# Altium PCB ESP32_MAIN.PcbDoc (part 1 of 2)
Units mm, origin at the board's own origin, x right, y up, seen from the top; angles counter-clockwise.
Board outline 80 x 80 mm, 2 copper layers (Top Layer, Bottom Layer); 106 components, 91 nets, 388 pads, 146 vias.
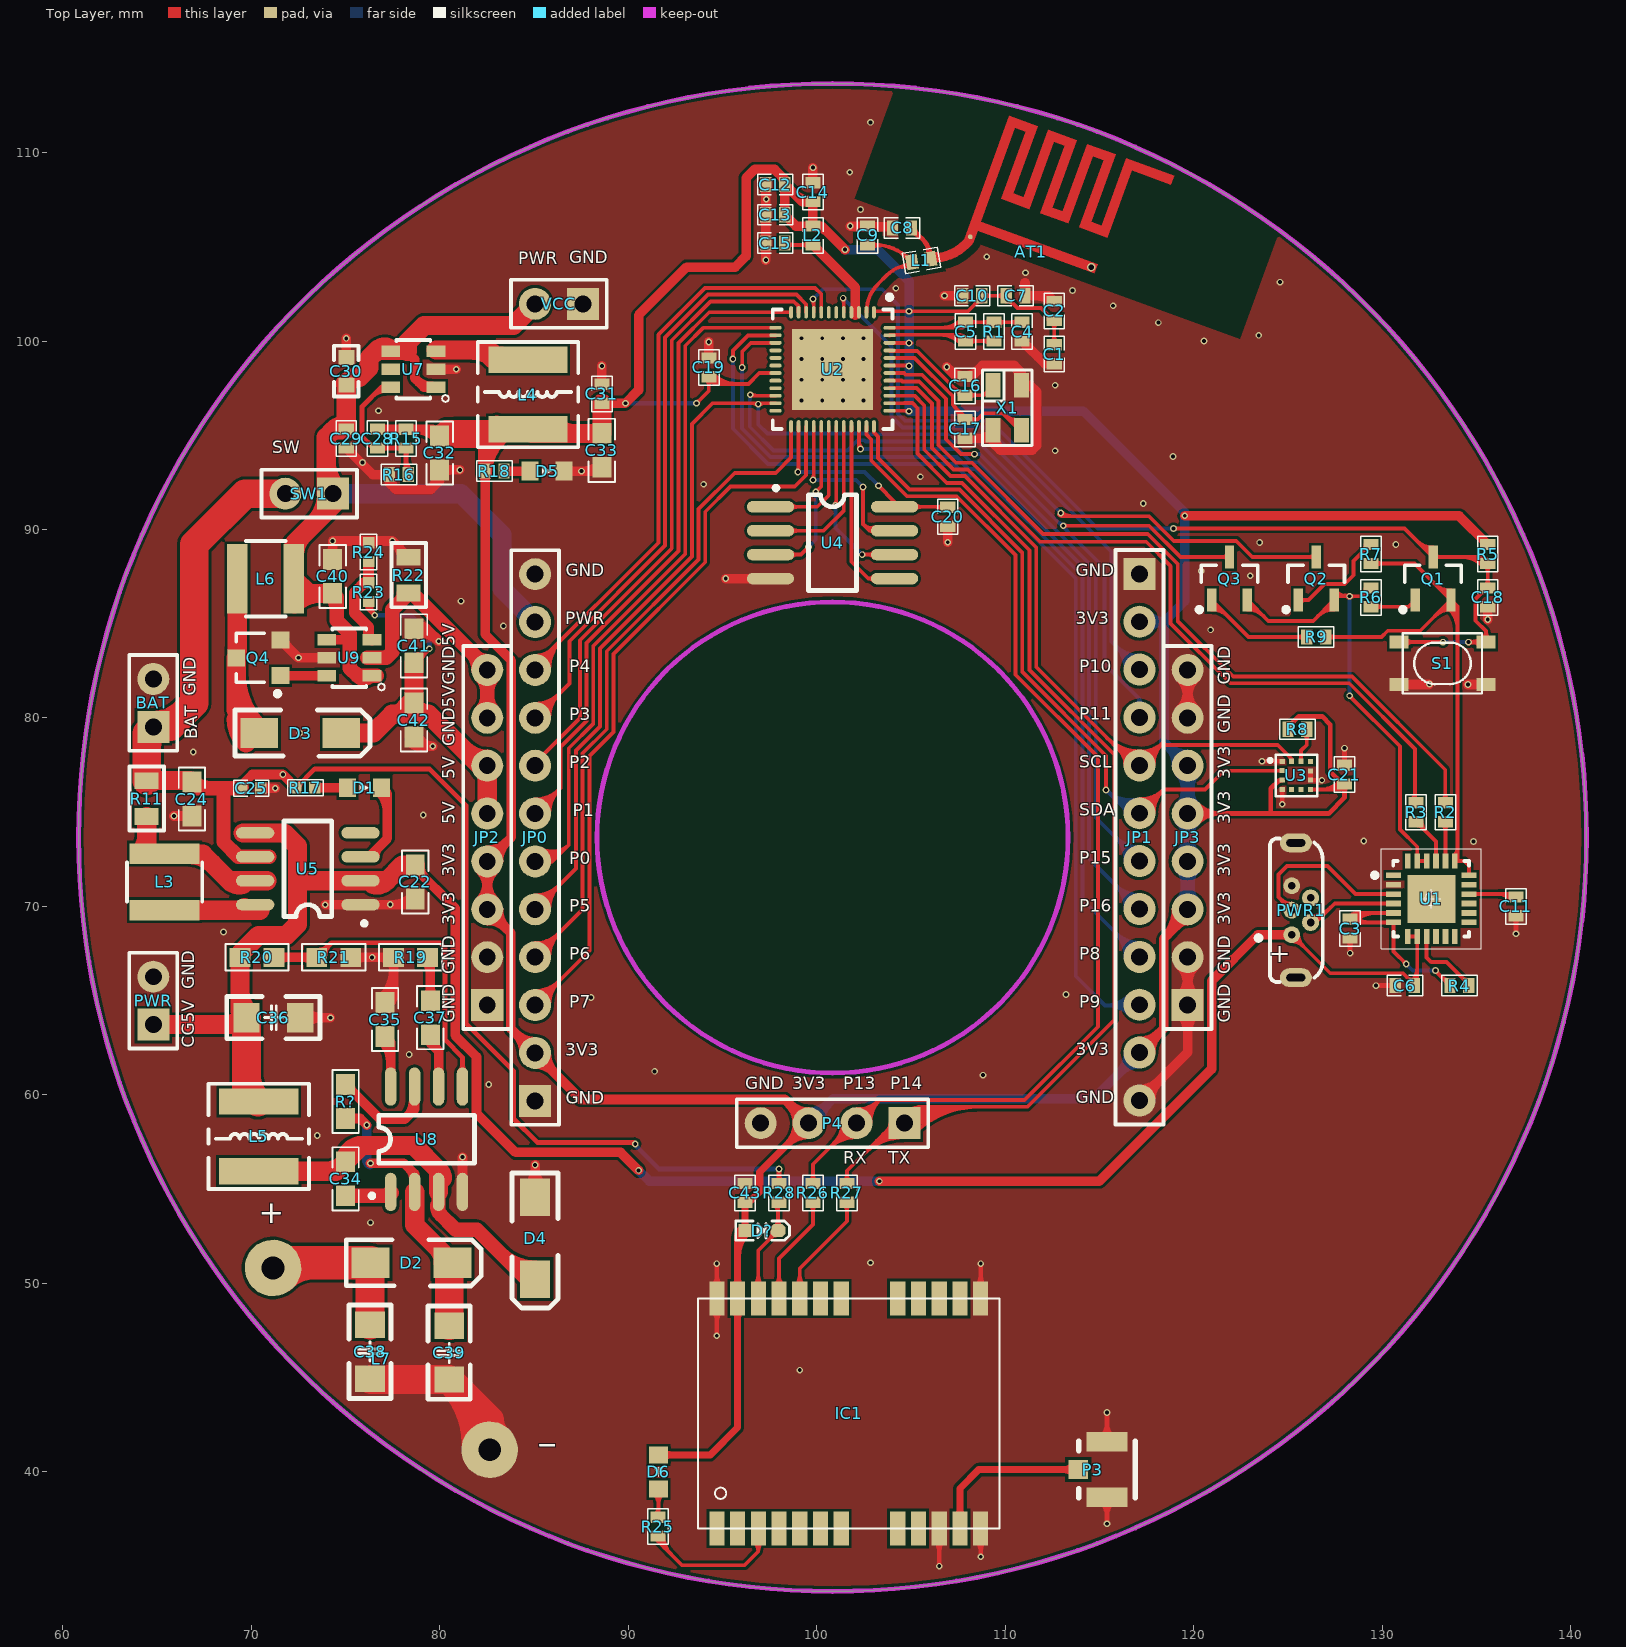
[diagram p0: Top Layer view]
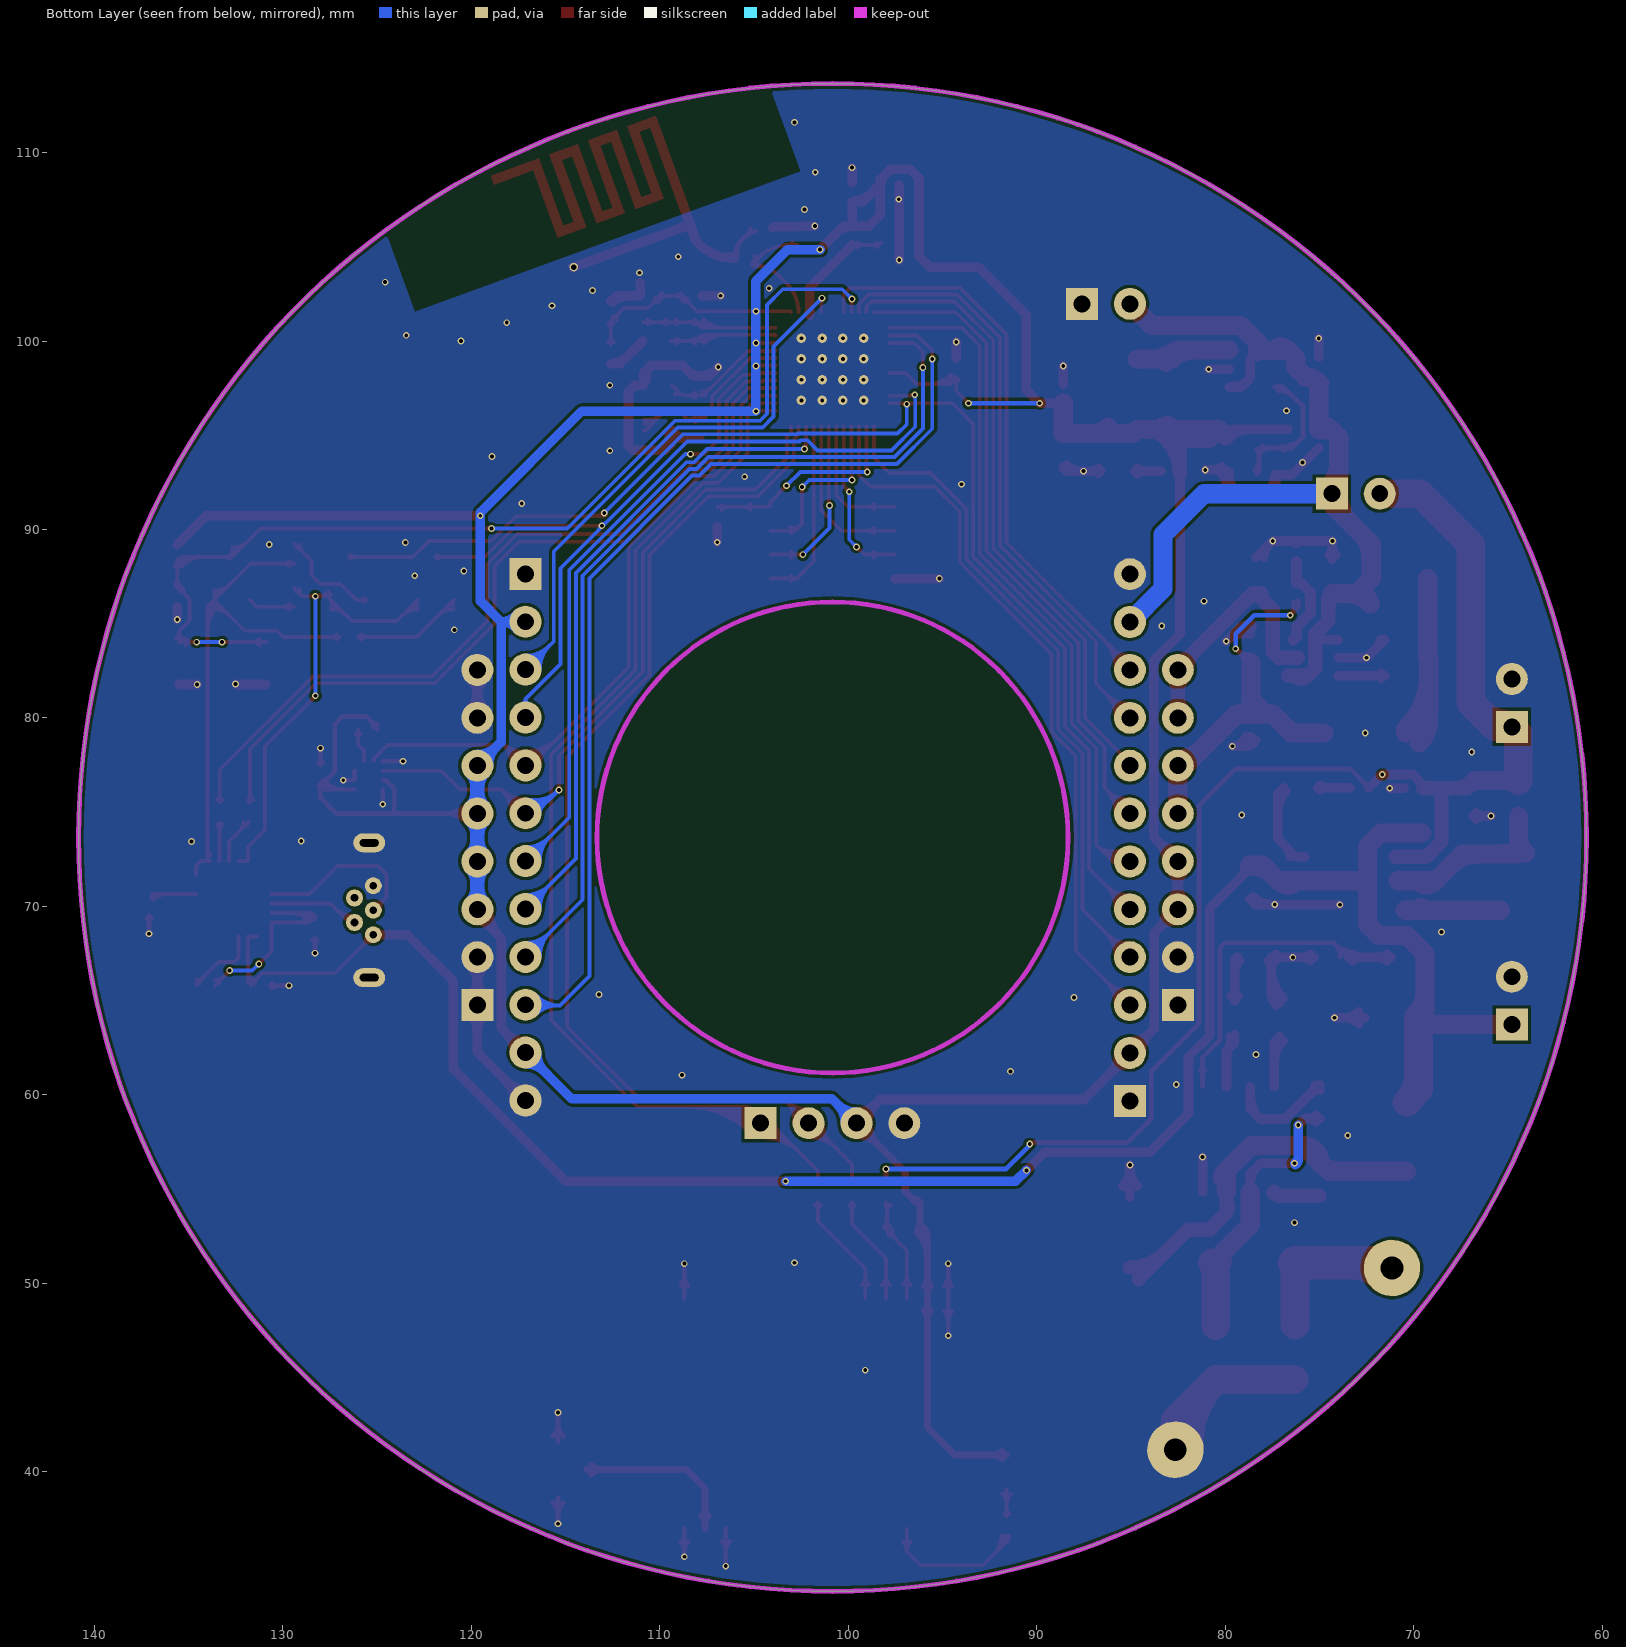
[diagram p1: Bottom Layer view, seen from below]

## Layer stack, top to bottom
Top Solder: solder mask 0.0102, Solder Resist, Dk 3.5
Top Layer: signal copper 0.0356
Dielectric1: dielectric 0.32, FR-4, Dk 4.8
Bottom Layer: signal copper 0.0356
Bottom Solder: solder mask 0.0102, Solder Resist, Dk 3.5

## Board outline
60.838,73.66 ccw(c100.838,73.66) 100.838,33.66 ccw(c100.838,73.66) 140.838,73.66 ccw(c100.838,73.66) 100.838,113.66 ccw(c100.838,73.66)

## Design rules (kind name [scope] priority, off if disabled: settings)
Clearance WIFI [InNet('NetC9_2','NetAT1_1')] p1: gap=0.4 ignorepadtopadclearanceinfootprint=FALSE except(0: Arc-Hole Track-Hole SMDPad-Hole THPad-Hole Via-Hole Fill-Hole Poly-Hole Region-Hole Text-Hole)
Clearance [All] p2: gap=0.152 ignorepadtopadclearanceinfootprint=FALSE except(0: Arc-Hole Track-Hole SMDPad-Hole THPad-Hole Via-Hole Fill-Hole Poly-Hole Region-Hole Text-Hole)
HoleToHoleClearance [All] p1: gap=0 allowstackedmicrovias=TRUE
MinimumSolderMaskSliver [All] p1: minsoldermaskwidth=0
PolygonConnect [All] p1: connectstyle=Direct reliefconductorwidth=0.254 reliefentries=4 polygonreliefangle="90 Angle" airgapwidth=0.254
RoutingVias [All] p1: holewidth=0.711 width=1.27 viastyle="Through Hole" minholewidth=0.711 minwidth=1.27 maxholewidth=0.711 maxwidth=1.27
SilkToSilkClearance [All] p1: silktosilkclearance=0
SilkToSolderMaskClearance [IsPad] p1: minsilkscreentomaskgap=0 clearancetoexposedcopper=TRUE
SolderMaskExpansion [All] p1: expansion=0.102
Width [All] p1: maxlimit=2.032 minlimit=0.102 preferedwidth=0.254
26 further rules are at their usual default settings.

## Classes and differential pairs
component class 北斗GPS: C43 D6 D? IC1 P3 R25 R26 R27 R28
component class Top_Bot: BAT C22 C24 C25 C28 C29 C30 C31 C32 C33 C34 C35 C36 C37 C38 C39 C40 C41 C42 D1 D2 D3 D4 D5 JP0 JP1 JP2 JP3 L3 L4 L5 L6 L7 P1 P2 P4 PWR Q4 R11 R15 R16 R17 R18 R19 R20 R21 R22 R23 R24 R? SW1 U5 U7 U8 U9 VCC
component class ESP32: AT1 C1 C2 C3 C4 C5 C6 C7 C8 C9 C10 C11 C12 C13 C14 C15 C16 C17 C18 C19 C20 C21 L1 L2 PWR1 Q1 Q2 Q3 R1 R2 R3 R4 R5 R6 R7 R8 R9 S1 U1 U2 U3 U4 X1

## Components (designator, comment, footprint, x,y, rotation, side; value= is the part's Value field where it differs from the comment)
AT1 "ANT_2.4Ghz2" ANT2_2.4G-M 107.825,105.375 r340 top
BAT "Header 2" HDR2.54-LI-2P 64.8,80.8 r90 top
C1 "1uF" 0402C#1 112.6,99.3 r270 top
C2 "0.1uF" 0402C#1 112.6,101.6 r270 top
C3 "104" 0402C#1 128.3,68.825 r270 top
C4 "10nF" 0402C#1 110.9,100.5 r270 top
C5 "3.3nF" 0402C#1 107.9,100.5 r90 top
C6 "1uF" 0402C#1 131.2,65.8 r180 top
C7 "0.1uF" 0402C#1 110.55,102.4 r180 top
C8 "1.2pF" 0402C#1 104.525,106 r0 top
C9 "6.2pF" 0402C#1 102.7,105.6 r270 top
C10 "10uF" 0402C#1 108.25,102.4 r180 top
C11 "4.7uF" 0402C#1 137.1,70 r90 top
C12 "10uF" 0402C#1 97.8,108.3 r180 top
C13 "1uF" 0402C#1 97.8,106.7 r0 top
C14 "0.1uF" 0402C#1 99.8,107.9 r90 top
C15 "1uF" 0402C#1 97.8,105.2 r0 top
C16 "10PF" 0402C#1 107.872,97.622 r90 top
C17 "10PF" 0402C#1 107.872,95.336 r270 top
C18 "104" 0402C#1 135.6,86.4 r90 top
C19 "104" 0402C#1 94.275,98.6 r270 top
C20 "104" 0402C#1 106.95,90.675 r270 top
C21 "1uF" 0402C#1 128,77 r90 top
C22 "10uF" C0603-S 78.7,71.3 r90 top
C24 "10uF" C0603-S 66.85,75.7 r90 top
C25 "104" 0402C#2 70,76.275 r180 top
C28 "100pF" 0402C#1 76.691,94.821 r90 top
C29 "104" 0402C#1 75.04,94.821 r90 top
C30 "10uF" CAPC_0603_2 75.04,98.4 r270 top
C31 "104" 0402C#1 88.6,97.2 r270 top
C32 "10uF" C0603-S 79.993,94.059 r90 top
C33 "10uF" C0603-S 88.6,94.2 r90 top
C34 "10nF" C0603-S 75,55.55 r90 top
C35 "104" C0603-S 77.1,64 r270 top
C36 "22uF/16V" "C 1206_L" 71.2,64.1 r180 top
C37 "3.3nF" C0603-S 79.5,64.1 r270 top
C38 "104/NPO" "C 1206_L" 76.3,46.4 r270 top
C39 "10uF/25V" "C 1206_L" 80.5,46.3 r90 top
C40 "10uF" C0603-S 74.315,87.511 r90 top
C41 "47uF" C0603-S 78.633,83.828 r90 top
C42 "10uF" C0603-S 78.633,79.891 r270 top
C43 "104" 0402C#1 96.2,54.8 r270 top
D1 "LED-R" LED0603 76,76.3 r0 top
D2 "SS510" SMA 78.5,51.1 r180 top
D3 "SS54" SMA 72.6,79.2 r180 top
D4 "SS34" SMA 85.059,52.4 r90 top
D5 "LED-G" LED0603 85.697,93.097 r0 top
D6 "LED-G" LED0603 91.6,40 r270 top
D? "IN4148" SOD-523 97.1,52.8 r0 top
IC1 "ATGM332D-5N" ATGM332D-5N 101.7,43.1 r270 top
JP0 "HDR-1X12" HDR2.54-LI-12P 85.059,73.66 r90 top
JP1 "HDR-1X12" HDR2.54-LI-12P 117.125,73.675 r270 top
JP2 "Header 8" HDR2.54-LI-8P 82.519,73.66 r90 top
JP3 "Header 8" HDR2.54-LI-8P 119.681,73.66 r90 top
L1 "2.7nH ±2%  0.31A" 0402C#1 105.55,104.275 r190 top
L2 "2nH" 0402C#1 99.8,105.6 r270 top
L3 "4.7uH" L-NR4018_4.0*4.0 65.4,71.3 r180 top
L4 "2.2uH" NR5040 84.681,97.161 r270 top
L5 "15uH/2A" NR5040 70.4,57.8 r90 top
L6 "3.3uH" L-NR4018_4.0*4.0 70.759,87.384 r270 top
L7 "Inductor_2" 无线充电线圈 76.9,46 r140 top locked
P3 "50OHM" IPEX 115.4,41.6 r270 top
P4 "Header 4" HDR2.54-LI-4P 100.838,58.5 r180 top
PWR "Header 2" HDR2.54-LI-2P 64.8,65 r90 top
PWR1 "USB-5P" USB-micro_C 125.7,69.8 r90 top
Q1 "SS8050" SOT23-3N 132.7,87.4 r0 top
Q2 "SS8050" SOT23-3N 126.5,87.4 r0 top
Q3 "SS8050" SOT23-3N 121.9,87.4 r0 top
Q4 "AO3400" "SOT-23 - N" 70.378,83.193 r90 top
R1 "20K" 0402R#1 109.4,100.5 r90 top
R2 "100" 0402R#1 133.35,75 r270 top
R3 "100" 0402R#1 131.8,75 r270 top
R4 "4.7K" 0402R#1 134.1,65.8 r180 top
R5 "10K" 0402R#1 135.6,88.7 r270 top
R6 "10K" 0402R#1 129.4,86.4 r90 top
R7 "10K" 0402R#1 129.4,88.7 r270 top
R8 "10K" 0402R#1 125.5,79.4 r0 top
R9 "10K" 0402R#1 126.5,84.3 r0 top
R11 "0.05R" "R 0805_L" 64.45,75.725 r90 top
R15 "45K" 0402R#1 78.215,94.821 r270 top
R16 "10K" 0402R#1 77.834,92.916 r180 top
R17 "10KΩ" 0402R#2 72.875,76.3 r0 top
R18 "10KΩ" 0402R#1 82.903,93.097 r0 top
R19 "6.8k" R0603-S 78.45,67.3 r180 top
R20 "44.2k" R0603-S 70.3,67.3 r180 top
R21 "10k" R0603-S 74.375,67.3 r180 top
R22 "0.3R" "R 0805_L" 78.35,87.575 r90 top
R23 "30K" 0402R#2 76.225,86.675 r90 top
R24 "4.3K" 0402R#2 76.225,88.8 r270 top
R25 "10K" 0402R#1 91.578,37.1 r90 top
R26 "510R" 0402R#1 99.8,54.8 r90 top
R27 "510R" 0402R#1 101.6,54.8 r90 top
R28 "0R" 0402R#1 98,54.8 r90 top
R? "100k" R0603-S 75,59.65 r90 top
S1 "SW-PB_mini" SW_SMD_3X4 133.2,82.9 r0 top
SW1 "Header 2" HDR2.54-LI-2P 73.075,91.9 r180 top
U1 "CP2104" QFN24 132.607,70.407 r0 top
U2 "ESP32" QFN48P600X600 100.838,98.5 r270 top
U3 "MSA301" LGA-12 125.45,76.951 r0 top
U4 "GD25LQ64" SOP8_FLASH 100.838,89.3 r0 top locked
U5 "SLM6500" SOP8_150 73,72 r90 top
U7 "SY8009B" SOT23-6 78.6,98.5 r270 top
U8 "XKT3169" SOP8_150 79.3,57.65 r0 top
U9 "ME2169" SOT23-6 75.204,83.193 r270 top
VCC "Header 2" HDR2.54-LI-2P 86.325,101.975 r180 top
X1 "40MHz" CY_3225 110.425,97.55 r270 top

## Footprints (in the part's own frame and the unit in brackets; to place one, negate y for a bottom-side part, rotate by r counter-clockwise, add the part's x,y. Pads: shape width x height; smd on the part's side, far side on the other; paste and mask are expansions set on the pad)
0402C#1 [mm]
  rect 0.6x0.8 smd: 1(-0.5,0) 2(0.5,0)
  silkscreen extent -0.94,-0.54 0.94,0.54
0402C#2 [mm]
  rect 0.6x0.6 smd: 1(-0.5,0) 2(0.5,0)
  silkscreen extent -0.94,-0.43 0.94,0.43, body extent -0.5,-0.25 0.5,0.25, height 0.5
0402R#1 [mm]
  rect 0.6x0.8 smd: 1(-0.5,0) 2(0.5,0)
  silkscreen extent -0.94,-0.54 0.94,0.54
0402R#2 [mm]
  rect 0.6x0.6 smd: 1(-0.5,0) 2(0.5,0)
  silkscreen extent -0.94,-0.43 0.94,0.43, body extent -0.5,-0.25 0.5,0.25, height 0.38
ANT2_2.4G-M [mil] "Antenna inverted F, 2.4 GHz, 17.3 mm (MIR)"
  round 10 smd: 1(10,10)
  round 17.72 hole 11.81 mask-30: 2(269,37)
  Top Layer region: 0,0 19.7,0 19.7,27.5 279.5,27.5 279.5,47.2 19.7,47.2 19.7,255.9 43.3,255.9 43.3,106.3 106.3,106.3 106.3,255.9 129.9,255.9 129.9,106.3 192.9,106.3 192.9,255.9 216.5,255.9 216.5,106.3 279.5,106.3 279.5,255.9 366.2,255.9 366.2,275.6 259.8,275.6 259.8,126 236.2,126 236.2,275.6 173.2,275.6 173.2,126 149.6,126 149.6,275.6 86.6,275.6 86.6,126 63,126 63,275.6 0,275.6
ATGM332D-5N [mm] "北斗 GPS"
  rect 1.8x0.8 smd: 1(6.1,-7) 2(6.1,-5.9) 3(6.1,-4.8) 4(6.1,-3.7) 5(6.1,-2.6) 6(6.1,-1.5) 7(6.1,-0.4) 8(6.1,2.6) 9(6.1,3.7) 10(6.1,4.8) 11(6.1,5.9) 12(6.1,7) 13(-6.1,7) 14(-6.1,5.9) 15(-6.1,4.8) 16(-6.1,3.7) 17(-6.1,2.6) 18(-6.1,-0.4) 19(-6.1,-1.5) 20(-6.1,-2.6) 21(-6.1,-3.7) 22(-6.1,-4.8) 23(-6.1,-5.9) 24(-6.1,-7)
  silkscreen extent -6.1,-8 6.1,8
C0603-S [mm]
  rect 1.1x1 smd: 1(-0.9,0) 2(0.9,0)
  silkscreen extent -1.67,-0.7 1.68,0.7, body extent -0.8,-0.4 0.8,0.4, height 0.9
"C 1206_L" [mil] "无极性贴片电容"
  rect 55x62 smd: 1(-55.12,0) 2(57.09,0)
  silkscreen extent -96,-44 98,44, body extent -63,-32 63,32, height 48
CAPC_0603_2 [mm]
  rect 0.8x0.85 smd: 1(-0.73,0) 2(0.73,0)
  silkscreen extent -1.35,-0.65 1.35,0.65, body extent -0.8,-0.4 0.8,0.4, height 0.6
CY_3225 [mm]
  rect 1.3x0.8 smd: 1(-0.099,-1.066) 2(2.289,-1.066) 3(2.289,0.433) 4(-0.099,0.432)
  silkscreen extent -0.91,-1.62 3.1,0.99
HDR2.54-LI-2P [mm]
  rect 1.7x1.7 hole 0.9: 1(-1.27,0)
  round 1.7 hole 0.9: 2(1.27,0)
  silkscreen extent -2.54,-1.27 2.54,1.27, body extent -2.54,-1.27 2.54,1.27, height 8.5
HDR2.54-LI-4P [mm] "排针，4脚"
  rect 1.7x1.7 hole 0.9: 1(-3.81,0)
  round 1.7 hole 0.9: 2(-1.27,0) 3(1.27,0) 4(3.81,0)
  silkscreen extent -5.08,-1.27 5.08,1.27, body extent -5.08,-1.27 5.08,1.27, height 8.5
HDR2.54-LI-8P [mm] "排针，8脚"
  rect 1.7x1.7 hole 0.9: 1(-8.89,0)
  round 1.7 hole 0.9: 2(-6.35,0) 3(-3.81,0) 4(-1.27,0) 5(1.27,0) 6(3.81,0) 7(6.35,0) 8(8.89,0)
  silkscreen extent -10.16,-1.27 10.16,1.27, body extent -10.16,-1.27 10.16,1.27, height 8.5
HDR2.54-LI-12P [mm] "排针，13脚"
  rect 1.7x1.7 hole 0.9: 1(-13.97,0)
  round 1.7 hole 0.9: 2(-11.43,0) 3(-8.89,0) 4(-6.35,0) 5(-3.81,0) 6(-1.27,0) 7(1.27,0) 8(3.81,0) 9(6.35,0) 10(8.89,0) 11(11.43,0) 12(13.97,0)
  silkscreen extent -15.24,-1.27 15.24,1.27, body extent -15.24,-1.27 15.24,1.27, height 8.5
IPEX [mm]
  rect 1.05x2.2 smd: 1(0,0) 3(2.95,0)
  rect 1x1.05 smd: 2(1.475,-1.525)
  silkscreen extent -0.02,-1.5 2.98,1.5, body extent 0.02,-1.55 3.02,1.55, height 1.25
L-NR4018_4.0*4.0 [mm] "功率电感"
  rect 3.7x1.1 smd: 1(0,1.5) 2(0,-1.5)
  silkscreen extent -2,-1.05 2,1.05, body extent -2,-2 2,2, height 1.9
LED0603 [mm]
  rect 0.9x1 smd: 1(-0.9,0) 2(0.9,0)
  silkscreen extent -0.25,-0.25 0.25,0.25, body extent -0.81,-0.41 0.81,0.39, height 0.6
LGA-12 [mm]
  rect 0.275x0.265 smd mask+0.05: 1(-0.75,0.751) 2(-0.75,0.251) 3(-0.75,-0.249) 4(-0.75,-0.749) 7(0.75,-0.751) 8(0.75,-0.251) 9(0.75,0.249) 10(0.75,0.749)
  rect 0.265x0.275 smd mask+0.05: 5(-0.25,-0.749) 6(0.25,-0.749) 11(0.25,0.749) 12(-0.25,0.749)
  silkscreen extent -1.45,-1.1 1.1,1.1
NR5040 [mm] "5.0mm*5.0mm*4.0mm(长*宽*高）"
  rect 1.4x4.2 smd: 1(-1.85,0) 2(1.85,0)
  silkscreen extent -2.79,-2.67 2.79,2.67, body extent -2.5,-2.5 2.5,2.5, height 4.1
QFN24 [mm]
  rect 0.8x0.3 smd: 1(-2,1.25) 2(-2,0.75) 3(-2,0.25) 4(-2,-0.25) 5(-2,-0.75) 6(-2,-1.25) 13(2,-1.25) 14(2,-0.75) 15(2,-0.25) 16(2,0.25) 17(2,0.75) 18(2,1.25)
  rect 0.3x0.8 smd: 7(-1.25,-2) 8(-0.75,-2) 9(-0.25,-2) 10(0.25,-2) 11(0.75,-2) 12(1.25,-2) 19(1.25,2) 20(0.75,2) 21(0.25,2) 22(-0.25,2) 23(-0.75,2) 24(-1.25,2)
  rect 2.55x2.55 smd: 25(0,0)
  silkscreen extent -3.12,-2.65 2.65,2.65, body extent -2.01,-1.99 1.99,2.01, height 1
QFN48P600X600 [mm]
  oval 0.65x0.2 smd: 1(-3.025,2.2) 2(-3.025,1.8) 3(-3.025,1.4) 4(-3.025,1) 5(-3.025,0.6) 6(-3.025,0.2) 7(-3.025,-0.2) 8(-3.025,-0.6) 9(-3.025,-1) 10(-3.025,-1.4) 11(-3.025,-1.8) 12(-3.025,-2.2) 25(3.025,-2.2) 26(3.025,-1.8) 27(3.025,-1.4) 28(3.025,-1) 29(3.025,-0.6) 30(3.025,-0.2) 31(3.025,0.2) 32(3.025,0.6) 33(3.025,1) 34(3.025,1.4) 35(3.025,1.8) 36(3.025,2.2)
  oval 0.2x0.65 smd: 13(-2.2,-3.025) 14(-1.8,-3.025) 15(-1.4,-3.025) 16(-1,-3.025) 17(-0.6,-3.025) 18(-0.2,-3.025) 19(0.2,-3.025) 20(0.6,-3.025) 21(1,-3.025) 22(1.4,-3.025) 23(1.8,-3.025) 24(2.2,-3.025) 37(2.2,3.025) 38(1.8,3.025) 39(1.4,3.025) 40(1,3.025) 41(0.6,3.025) 42(0.2,3.025) 43(-0.2,3.025) 44(-0.6,3.025) 45(-1,3.025) 46(-1.4,3.025) 47(-1.8,3.025) 48(-2.2,3.025)
  rect 4.3x4.3 smd: 49(0,0)
  silkscreen extent -3.95,-3.18 3.18,3.18, body extent -3.03,-3.03 3.03,3.03, height 0.85
R0603-S [mm]
  rect 1.1x1 smd: 1(-0.9,0) 2(0.9,0)
  silkscreen extent -1.68,-0.7 1.68,0.7, body extent -0.75,-0.41 0.75,0.39, height 0.63
"R 0805_L" [mil]
  rect 35x50 smd: 1(-37.4,0) 2(37.4,0)
  silkscreen extent -67,-36 67,36, body extent -39,-25 39,25, height 20
SMA [mm]
  rect 2x1.6 smd: 1(2.175,0) 2(-2.175,0)
  silkscreen extent -3.71,-1.22 3.46,1.23, body extent -2.72,-1.4 2.77,1.4, height 2.44
SOD-523 [mm] "1.2x0.8X0.6mm（长宽高，不包括引脚）"
  rect 0.8x0.7 smd: 1(-0.85,0)
  oct 0.8x0.7 smd: 2(0.85,0)
  silkscreen extent -1.4,-0.51 1.45,0.51, body extent -0.8,-0.4 0.8,0.4, height 0.65
SOP8_150 [mil]
  oval 24x80 smd: 1(-75,-110) 2(-25,-110) 3(25,-110) 4(75,-110) 5(75,110) 6(25,110) 7(-25,110) 8(-75,110)
  silkscreen extent -118,-122 100,50, body extent -95,-118 95,118, height 67
SOP8_FLASH [mm]
  oval 2.5x0.61 smd: 1(-3.294,1.905) 2(-3.294,0.635) 3(-3.294,-0.635) 4(-3.294,-1.905) 5(3.294,-1.905) 6(3.294,-0.635) 7(3.294,0.635) 8(3.294,1.905)
  silkscreen extent -3.1,-2.54 1.27,3, body extent -3,-2.41 3,2.41, height 1.7
SOT23-3N [mm]
  rect 0.5x1.2 smd: 1(-0.95,-1.143) 2(0.95,-1.143) 3(0,1.143)
  silkscreen extent -1.72,-1.78 1.5,0.7, body extent -1.5,-1.2 1.5,1.2, height 1.05
SOT23-6 [mm]
  rect 0.6x1 smd: 1(0.95,1.2) 2(0,1.2) 3(-0.95,1.2) 4(-0.95,-1.2) 5(0,-1.2) 6(0.95,-1.2)
  silkscreen extent -1.55,-0.9 1.73,1.88
"SOT-23 - N" [mm]
  rect 0.9x0.95 smd: D(0,1.175) G(-0.95,-1.175) S(0.95,-1.175)
  silkscreen extent -2.03,-1.14 1.3,1.18, body extent -1.5,-1.2 1.5,1.2, height 1.05
SW_SMD_3X4 [mm] "微动开关"
  rect 1x0.7 smd: 1(-2.3,1.125) 1(2.3,1.125) 2(-2.3,-1.125) 2(2.3,-1.125)
  silkscreen extent -2.1,-1.6 2.1,1.6, body extent -2.1,-1.6 2.1,1.6, height 2.55
USB-micro_C [mm] "micro型USB ，5.7*7.8*2.5mm"
  round 0.9 hole 0.4: 1(-1.3,0.5) 2(-0.65,-0.5) 3(0,0.5) 4(0.65,-0.5) 5(1.3,0.5)
  oval 1x1.7 hole 0.4 slot 1 at 90 deg: 5(-3.575,0.28) 5(3.575,0.28)
  silkscreen extent -3.81,-1.14 3.81,2.39, body extent -4,-1.21 4,1.77, height 5.65
无线充电线圈 [mm]
  round 3 hole 1.2: 1(-7.5,0) 2(7.5,0)

## Part data